# Allegro board 038RT-9068CJK8E-A100_0921_1.brd (continued)
## Placement (name value [footprint] x y rotation side) (continued)
UNK2CH1172  4.7U-25-X7R-S8-TY  [C0805]  283.67 444.7 90 bottom
UNK2CH1173  0.1U-16-X7R-S4-TY  [C0402]  291.21 439.98 0 bottom
UNK2CH1174  0.1U-16-X7R-S4-TY  [C0402]  291.21 441.25 0 bottom
UNK2CH1201  4.7U-25-X7R-S8-TY  [C0805]  292.79 446.46 0 bottom
UNK2CH1202  0.1U-16-X7R-S4-TY  [C0402]  288.67 438.39 270 bottom
UNK2CH1251  4.7U-25-X7R-S8-TY  [C0805]  292.79 448.68 0 bottom
UNK2CH1252  0.1U-16-X7R-S4-TY  [C0402]  286.66 438.45 270 bottom
UNK2CH1331  0.1U-16-X7R-S4-TY  [C0402]  284.26 438.45 270 bottom
UNK2CH1332  0.1U-16-X7R-S4-TY  [C0402]  261.88 444.35 180 bottom
UNK2CH1333  4.7U-25-X7R-S8-TY  [C0805]  261.08 442.32 180 bottom
UNK2CH1334  4.7U-25-X7R-S8-TY  [C0805]  261.08 439.78 180 bottom
UNK2CH1341  4.7U-25-X7R-S8-TY  [C0805]  281.64 444.7 90 bottom
UNK2CH1342  0.1U-16-X7R-S4-TY  [C0402]  283.11 438.45 270 bottom
UNK2CH1351  4.7U-25-X7R-S8-TY  [C0805]  277.1 441.63 180 bottom
UNK2CH1352  0.1U-16-X7R-S4-TY  [C0402]  281.47 438.98 0 bottom
UNK2CH1361  1U-16-X-S6-TY  [C0603]  271.22 436.12 90 bottom
UNK2CH1362  1U-16-X-S6-TY  [C0603]  271.22 432.43 270 bottom
UNK2CH1363  0.1U-16-X7R-S4-TY  [C0402]  277.19 437.37 90 bottom
UNK2CH1364  0.1U-16-X7R-S4-TY  [C0402]  278.33 437.37 90 bottom
UNK2CH1391  4.7U-25-X7R-S8-TY  [C0805]  277.1 439.6 180 bottom
UNK2CH1392  0.1U-16-X7R-S4-TY  [C0402]  281.47 437.84 0 bottom
UNK2CH1401  1U-16-X-S6-TY  [C0603]  272.7 436.12 90 bottom
UNK2CH1402  1U-16-X-S6-TY  [C0603]  274.17 436.12 90 bottom
UNK2CH1403  0.1U-16-X7R-S4-TY  [C0402]  281.47 433.26 0 bottom
UNK2CH1404  0.1U-16-X7R-S4-TY  [C0402]  281.47 434.41 0 bottom
UNK2CH1501  1U-16-X-S6-TY  [C0603]  274.17 432.43 270 bottom
UNK2CH1502  1U-16-X-S6-TY  [C0603]  272.7 432.43 270 bottom
UNK2CH1503  0.1U-16-X7R-S4-TY  [C0402]  281.47 435.55 0 bottom
UNK2CH1504  0.1U-16-X7R-S4-TY  [C0402]  281.47 436.69 0 bottom
UNK2CH1551  4.7U-25-X7R-S8-TY  [C0805]  283.55 423.24 180 bottom
UNK2CH1552  1U-16-X-S6-TY  [C0603]  284.68 429.49 270 bottom
UNK2CH1601  4.7U-25-X7R-S8-TY  [C0805]  287.22 423.24 0 bottom
UNK2CH1602  1U-16-X-S6-TY  [C0603]  286.09 429.49 270 bottom
UNK2CH1631  4.7U-25-X7R-S8-TY  [C0805]  287.22 421.18 0 bottom
UNK2CH1632  0.1U-16-X7R-S4-TY  [C0402]  287.36 429.18 270 bottom
UNK2CH1633  0.1U-16-X7R-S4-TY  [C0402]  302.12 437.69 0 bottom
UNK2CH1634  4.7U-25-X7R-S8-TY  [C0805]  302.3 439.29 0 bottom
UNK2CH2111  4.7U-25-X7R-S8-TY  [C0805]  240.29 436.05 0 bottom
UNK2CH2112  0.1U-16-X7R-S4-TY  [C0402]  226.85 436.64 180 bottom
UNK2CH2171  4.7U-25-X7R-S8-TY  [C0805]  229 443.61 90 bottom
UNK2CH2172  4.7U-25-X7R-S8-TY  [C0805]  221.66 444.7 90 bottom
UNK2CH2173  0.1U-16-X7R-S4-TY  [C0402]  229.2 439.98 0 bottom
UNK2CH2174  0.1U-16-X7R-S4-TY  [C0402]  229.2 441.25 0 bottom
UNK2CH2201  4.7U-25-X7R-S8-TY  [C0805]  230.78 446.46 0 bottom
UNK2CH2202  0.1U-16-X7R-S4-TY  [C0402]  226.66 438.39 270 bottom
UNK2CH2251  4.7U-25-X7R-S8-TY  [C0805]  230.78 448.68 0 bottom
UNK2CH2252  0.1U-16-X7R-S4-TY  [C0402]  224.65 438.45 270 bottom
UNK2CH2331  0.1U-16-X7R-S4-TY  [C0402]  222.25 438.45 270 bottom
UNK2CH2341  4.7U-25-X7R-S8-TY  [C0805]  219.63 444.7 90 bottom
UNK2CH2342  0.1U-16-X7R-S4-TY  [C0402]  221.1 438.45 270 bottom
UNK2CH2351  4.7U-25-X7R-S8-TY  [C0805]  215.09 441.63 180 bottom
UNK2CH2352  0.1U-16-X7R-S4-TY  [C0402]  219.46 438.98 0 bottom
UNK2CH2361  1U-16-X-S6-TY  [C0603]  209.22 436.12 90 bottom
UNK2CH2362  1U-16-X-S6-TY  [C0603]  209.22 432.43 270 bottom
UNK2CH2363  0.1U-16-X7R-S4-TY  [C0402]  215.18 437.37 90 bottom
UNK2CH2364  0.1U-16-X7R-S4-TY  [C0402]  216.32 437.37 90 bottom
UNK2CH2391  4.7U-25-X7R-S8-TY  [C0805]  215.09 439.6 180 bottom
UNK2CH2392  0.1U-16-X7R-S4-TY  [C0402]  219.46 437.84 0 bottom
UNK2CH2401  1U-16-X-S6-TY  [C0603]  210.69 436.12 90 bottom
UNK2CH2402  1U-16-X-S6-TY  [C0603]  212.16 436.12 90 bottom
UNK2CH2403  0.1U-16-X7R-S4-TY  [C0402]  219.46 433.26 0 bottom
UNK2CH2404  0.1U-16-X7R-S4-TY  [C0402]  219.46 434.41 0 bottom
UNK2CH2501  1U-16-X-S6-TY  [C0603]  212.16 432.43 270 bottom
UNK2CH2502  1U-16-X-S6-TY  [C0603]  210.69 432.43 270 bottom
UNK2CH2503  0.1U-16-X7R-S4-TY  [C0402]  219.46 435.55 0 bottom
UNK2CH2504  0.1U-16-X7R-S4-TY  [C0402]  219.46 436.69 0 bottom
UNK2CH2551  4.7U-25-X7R-S8-TY  [C0805]  221.54 423.24 180 bottom
UNK2CH2552  1U-16-X-S6-TY  [C0603]  222.67 429.49 270 bottom
UNK2CH2601  4.7U-25-X7R-S8-TY  [C0805]  225.21 423.24 0 bottom
UNK2CH2602  1U-16-X-S6-TY  [C0603]  224.08 429.49 270 bottom
UNK2CH2631  4.7U-25-X7R-S8-TY  [C0805]  225.21 421.18 0 bottom
UNK2CH2632  0.1U-16-X7R-S4-TY  [C0402]  225.35 429.18 270 bottom
UNK2CH2633  0.1U-16-X7R-S4-TY  [C0402]  240.11 437.69 0 bottom
UNK2CH2634  4.7U-25-X7R-S8-TY  [C0805]  240.29 439.29 0 bottom
UNK2CMOS1  DMC1015UPD-13-POWERDI5060-8  [TRANS_POWERPAK_8P]  239.89 287.33 90 bottom
UNK2CON1  RJ45-1X1-D90-KINSUN-1  [CONN_RJ45_1X1D90_8P_90754D]  7.76 152.02 90 bottom
UNK2CON3  RJ45-1X1-D90-KINSUN-1  [CONN_RJ45_1X1D90_8P_90754D]  7.76 184.4 90 bottom
UNK2CS1  22U-10-X7S-S8-TDK  [C0805]  150.71 455.54 0 top
UNK2CS2  100P-50-N-S4-YA  [C0402]  157.38 453.95 180 top
UNK2CS3  22U-10-X7S-S8-TDK  [C0805]  146.9 451.41 270 top
UNK2CS4  22U-10-X7S-S8-TDK  [C0805]  144.36 451.41 270 top
UNK2CS5  22P-50-N-S4-YA  [C0402]  157.38 451.41 0 top
UNK2CS61  0.1U-16-X7R-S4-TY  [C0402]  129.99 289.12 180 bottom
UNK2CS62  0.1U-16-X7R-S4-TY  [C0402]  129.99 287.96 180 bottom
UNK2CS63  0.1U-16-X7R-S4-TY  [C0402]  129.99 286.62 180 bottom
UNK2CS64  0.1U-16-X7R-S4-TY  [C0402]  129.99 285.45 180 bottom
UNK2CS71  0.1U-16-X7R-S4-TY  [C0402]  129.99 280.11 180 bottom
UNK2CS72  0.1U-16-X7R-S4-TY  [C0402]  129.99 278.94 180 bottom
UNK2CS73  0.1U-16-X7R-S4-TY  [C0402]  129.99 277.6 180 bottom
UNK2CS74  0.1U-16-X7R-S4-TY  [C0402]  129.99 276.43 180 bottom
UNK2CS101  0.1U-16-X7R-S4-TY  [C0402]  123.02 257.28 180 top
UNK2CS102  0.1U-16-X7R-S4-TY  [C0402]  123.02 256.11 180 top
UNK2CS103  0.22U-16-X7R-S4-SS  [C0402]  244.04 255.24 180 bottom
UNK2CS104  0.22U-16-X7R-S4-SS  [C0402]  244.04 256.41 180 bottom
UNK2CS107  0.1U-16-X7R-S4-TY  [C0402]  131.47 263.46 180 bottom
UNK2CS108  0.1U-16-X7R-S4-TY  [C0402]  131.47 262.29 180 bottom
UNK2CS111  0.1U-16-X7R-S4-TY  [C0402]  123.02 259.79 180 top
UNK2CS112  0.1U-16-X7R-S4-TY  [C0402]  123.02 258.62 180 top
UNK2CS113  0.22U-16-X7R-S4-SS  [C0402]  244.04 247.24 180 bottom
UNK2CS114  0.22U-16-X7R-S4-SS  [C0402]  244.04 248.41 180 bottom
UNK2CS117  0.1U-16-X7R-S4-TY  [C0402]  131.47 266.32 180 bottom
UNK2CS118  0.1U-16-X7R-S4-TY  [C0402]  131.47 265.15 180 bottom
UNK2GPHY2  CU/CONN-F-9-2304372-9-TE-V2  [CONN_SPECIFIC_8P_TE_V2]  11.29 269.88 90 bottom
UNK2GPHY3  CU/CONN-F-9-2304372-9-TE-V2  [CONN_SPECIFIC_8P_TE_V2]  11.29 288.93 90 bottom
UNK2HOST1  RTL9210-QFN68/CU/RTL9210-QFN68-8X8  [SK_QFN8X8_68P_0P4MM_ISC]  286.26 435.84 180 top
UNK2HOST2  RTL9210-QFN68/CU/RTL9210-QFN68-8X8  [SK_QFN8X8_68P_0P4MM_ISC]  224.25 435.84 180 top
UNK2K4  CU/EC2-12NJ-A  [RL_NAL_12V]  327.04 429.82 90 top
UNK2K5  CU/EC2-12NJ-A  [RL_NAL_12V]  194.08 426.21 90 top
UNK2K6  CU/EC2-12NJ-A  [RL_NAL_12V]  113.06 448.8 90 top
UNK2K7  CU/EC2-12NJ-A  [RL_NAL_12V]  132.02 432.18 90 top
UNK2K11  CU/EC2-12NJ-A  [RL_NAL_12V]  251.95 280.09 0 bottom
UNK2K34  CU/UA2-12NJ-A-V2_EX  [RL_NECUA2_12V_V2]  312.88 273.23 180 bottom
UNK2K52  CU/UA2-12NJ-A-V2  [RL_NECUA2_12V_V2]  54.24 372.97 90 top
UNK2K54  CU/UA2-12NJ-A-V2  [RL_NECUA2_12V_V2]  54.24 385.69 90 top
UNK2K56  CU/UA2-12NJ-A-V2  [RL_NECUA2_12V_V2]  61.29 372.97 90 top
UNK2K58  CU/UA2-12NJ-A-V2  [RL_NECUA2_12V_V2]  61.29 385.69 90 top
UNK2K60  CU/UA2-12NJ-A-V2  [RL_NECUA2_12V_V2]  257.21 264.6 180 bottom
UNK2K64  CU/UA2-12NJ-A-V2  [RL_NECUA2_12V_V2]  231.8 264.6 0 bottom
UNK2K124  CU/UA2-12NJ-A-V2  [RL_NECUA2_12V_V2]  156.85 274.5 0 bottom
UNK2K130  CU/UA2-12NJ-A-V2  [RL_NECUA2_12V_V2]  257.21 271.71 180 bottom
UNK2K140  CU/UA2-12NJ-A-V2  [RL_NECUA2_12V_V2]  231.8 271.71 0 bottom
UNK2K144  PI3DBS12412AZHE-TQFN42  [TQFN9X3P5_42P_0P5MM_EP]  43.67 287.02 180 bottom
UNK2K145  PI3DBS12412AZHE-TQFN42  [TQFN9X3P5_42P_0P5MM_EP]  29.07 280.67 0 bottom
UNK2K180  CU/UA2-12NJ-A-V2  [RL_NECUA2_12V_V2]  204.13 262.08 0 bottom
UNK2K181  CU/UA2-12NJ-A-V2  [RL_NECUA2_12V_V2]  188.37 262.08 0 bottom
UNK2K182  CU/UA2-12NJ-A-V2  [RL_NECUA2_12V_V2]  172.61 274.5 0 bottom
UNK2K183  CU/UA2-12NJ-A-V2  [RL_NECUA2_12V_V2]  188.37 274.5 0 bottom
UNK2K184  PI3DBS12412AZHE-TQFN42  [TQFN9X3P5_42P_0P5MM_EP]  137.02 280.78 180 bottom
UNK2K211  CU/UA2-12NJ-A-V2  [RL_NECUA2_12V_V2]  318.6 421.96 90 top
UNK2K212  CU/UA2-12NJ-A-V2  [RL_NECUA2_12V_V2]  312.39 421.96 90 top
UNK2K213  PI3DBS12412AZHE-TQFN42_EX  [TQFN9X3P5_42P_0P5MM_EP]  251.27 248.82 180 bottom
UNK2K214  PI3DBS12412AZHE-TQFN42_EX  [TQFN9X3P5_42P_0P5MM_EP]  229.05 248.82 180 bottom
UNK2K217  PI3DBS12412AZHE-TQFN42_EX  [TQFN9X3P5_42P_0P5MM_EP]  137.02 264.62 180 bottom
UNK2K220  CU/UA2-12NJ-A-V2  [RL_NECUA2_12V_V2]  250.38 421.96 90 top
UNK2K221  CU/UA2-12NJ-A-V2  [RL_NECUA2_12V_V2]  256.59 421.96 90 top
UNK2K223  CU/EC2-12NJ-A  [RL_NAL_12V]  251.95 287.71 0 bottom
UNK2K225  CU/UA2-12NJ-A-V2  [RL_NECUA2_12V_V2]  191.17 284.46 180 bottom
UNK2K226  CU/UA2-12NJ-A-V2  [RL_NECUA2_12V_V2]  206.41 284.46 180 bottom
UNK2K227  CU/UA2-12NJ-A-V2  [RL_NECUA2_12V_V2]  155.31 284.41 180 bottom
UNK2K228  CU/UA2-12NJ-A-V2  [RL_NECUA2_12V_V2]  170.55 284.41 180 bottom
UNK2K231  CU/UA2-12NJ-A-V2  [RL_NECUA2_12V_V2]  188.37 268.29 0 bottom
UNK2K232  CU/UA2-12NJ-A-V2  [RL_NECUA2_12V_V2]  172.61 262.08 0 bottom
UNK2K233  CU/UA2-12NJ-A-V2  [RL_NECUA2_12V_V2]  172.61 268.29 0 bottom
UNK2K240  CU/UA2-12NJ-A-V2  [RL_NECUA2_12V_V2]  139.56 431.1 270 top
UNK2K241  CU/UA2-12NJ-A-V2  [RL_NECUA2_12V_V2]  153.53 431.5 90 top
UNK2K242  CU/UA2-12NJ-A-V2  [RL_NECUA2_12V_V2]  145.91 431.1 270 top
UNK2K243  CU/UA2-12NJ-A-V2  [RL_NECUA2_12V_V2]  159.88 431.5 90 top
UNK2L3  L2.2U-10A-S6.8X6.6-BO  [IND_6P6X6P4XH5MM]  232.9 287.33 90 bottom
UNK2LH11  L2.2U-1.15A-S2.0X1.6-TDK  [IND_VL252012E]  295.27 439.34 180 bottom
UNK2LH21  L2.2U-1.15A-S2.0X1.6-TDK  [IND_VL252012E]  233.26 439.34 180 bottom
UNK2LX1  L1U-3.3A-S2.5X2-TY  [IND_VL252012E]  154.52 451.41 270 top
UNK2MQS1  MQS-9X2-MR  [CONN_19635391_18P_90]  6.8 340.36 270 bottom
UNK2PT1  PT-RJ45-1X1-20X18X12  [RJ45_1X1D90_8P_PROTECTOR]  682.28 25.65 270 bottom
UNK2PT3  PT-RJ45-1X1-20X18X12  [RJ45_1X1D90_8P_PROTECTOR]  682.28 58.04 270 bottom
UNK2PT23  PT-CONN-2X1-50X16X11  [PROTECTOR_CONN_SPECIFIC_2PORT]  11.29 279.4 270 bottom
UNK2R2  NC/100K-1-S4  [R0402]  238.41 265.42 180 bottom
UNK2R3  NC/100K-1-S4  [R0402]  250.6 263.26 0 bottom
UNK2R5  NC/100K-1-S4  [R0402]  238.41 273.04 180 bottom
UNK2R6  NC/100K-1-S4  [R0402]  57.22 255.61 0 top
UNK2R7  NC/100K-1-S4  [R0402]  57.22 249.13 0 top
UNK2R9  NC/100K-1-S4  [R0402]  69.74 260.34 180 bottom
UNK2R10  NC/100K-1-S4  [R0402]  250.6 270.88 0 bottom
UNK2R18  0-5-S8  [R0805]  126.08 446.72 180 top
UNK2R19  NC/100K-1-S4  [R0402]  69.74 265.04 180 bottom
UNK2R20  0-5-S8  [R0805]  30.34 139.06 0 bottom
UNK2R21  0-5-S8  [R0805]  23.67 360.74 90 bottom
UNK2R24  1M-1-S4  [R0402]  97.01 237.61 270 bottom
UNK2R26  10K-1-S4  [R0402]  97.01 240.02 270 bottom
UNK2R45  NC/10K-1-S4  [R0402]  116.06 237.61 270 bottom
UNK2R46  NC/10K-1-S4  [R0402]  114.79 237.61 270 bottom
UNK2R56  NC/1K-1-S4  [R0402]  68.75 280.34 90 bottom
UNK2R60  10K-1-S4  [R0402]  109.71 237.61 270 bottom
UNK2R61  10K-1-S4  [R0402]  102.09 237.61 270 bottom
UNK2R62  10K-1-S4  [R0402]  104.63 240.02 90 bottom
UNK2R63  NC/10K-1-S4  [R0402]  98.28 237.61 270 bottom
UNK2R64  NC/10K-1-S4  [R0402]  100.82 237.61 270 bottom
UNK2R66  NC/10K-1-S4  [R0402]  103.36 237.61 270 bottom
UNK2R67  NC/10K-1-S4  [R0402]  108.44 237.61 270 bottom
UNK2R68  NC/10K-1-S4  [R0402]  99.55 237.61 270 bottom
UNK2R69  24K-1-S4  [R0402]  84.13 266.72 90 bottom
UNK2R70  10K-1-S4  [R0402]  112.25 237.61 270 bottom
UNK2R71  10K-1-S4  [R0402]  110.98 237.61 270 bottom
UNK2R105  NC/0-5-S4  [R0402]  312.16 276.86 180 bottom
UNK2R110  24K-1-S4  [R0402]  285.8 274.69 0 bottom
UNK2R126  100-1-S4  [R0402]  54.24 379.13 0 top
UNK2R130  100-1-S4  [R0402]  61.29 379.13 0 top
UNK2R133  75-1-S4  [R0402]  51.73 350.22 270 top
UNK2R134  75-1-S4  [R0402]  57.76 350.22 270 top
UNK2R135  75-1-S4  [R0402]  57.8 330.68 270 top
UNK2R136  75-1-S4  [R0402]  51.77 330.68 270 top
UNK2R137  0-5-S4  [R0402]  29.07 144.14 90 bottom
UNK2R138  3.9K-1-S4  [R0402]  34.15 144.14 90 bottom
UNK2R139  1K-1-S4  [R0402]  57.22 253.07 180 top
UNK2R140  1K-1-S4  [R0402]  57.22 251.67 180 top
UNK2R141  1K-1-S4  [R0402]  57.22 247.86 180 top
UNK2R142  1K-1-S4  [R0402]  57.22 246.46 180 top
UNK2R149  1K-1-S4  [R0402]  240.56 266.82 180 bottom
UNK2R150  1K-1-S4  [R0402]  240.56 265.42 180 bottom
UNK2R155  1K-1-S4  [R0402]  248.45 261.86 0 bottom
UNK2R156  1K-1-S4  [R0402]  248.45 263.26 0 bottom
UNK2R263  NC/10K-1-S4  [R0402]  104.63 237.61 270 bottom
UNK2R264  NC/10K-1-S4  [R0402]  102.09 240.02 90 bottom
UNK2R275  1M-1-S6  [R0603]  107.98 442.87 270 bottom
UNK2R276  1M-1-S6  [R0603]  125.28 420.88 90 top
UNK2R281  10K-1-S4  [R0402]  116.06 240.02 90 bottom
UNK2R282  10K-1-S4  [R0402]  114.79 240.02 90 bottom
UNK2R309  NC/10K-1-S25-ST  [R2512]  122.49 425.83 180 top
UNK2R327  1K-1-S4  [R0402]  154.55 277.94 0 bottom
UNK2R328  1K-1-S4  [R0402]  154.55 271.06 0 bottom
UNK2R342  10K-1-S4  [R0402]  111.16 429.75 270 bottom
UNK2R343  10K-1-S4  [R0402]  116.24 429.75 270 bottom
UNK2R344  10K-1-S4  [R0402]  101 429.75 270 bottom
UNK2R345  10K-1-S4  [R0402]  106.08 429.75 270 bottom
UNK2R347  0-5-S4  [R0402]  107.17 240.02 270 bottom
UNK2R348  0-5-S4  [R0402]  105.9 240.02 270 bottom
UNK2R350  1K-1-S4  [R0402]  107.17 237.61 90 bottom
UNK2R351  1K-1-S4  [R0402]  105.9 237.61 270 bottom
UNK2R360  NC/898-1-S6-KOA  [R0603]  107.98 446.22 90 bottom
UNK2R361  NC/100-1-S6  [R0603]  107.98 449.65 90 bottom
UNK2R362  0-5-S6  [R0603]  110.52 438.01 270 bottom
UNK2R434  0-5-S4  [R0402]  314.22 276.86 0 bottom
UNK2R438  1K-1-S4  [R0402]  248.45 270.88 0 bottom
UNK2R439  1K-1-S4  [R0402]  240.56 273.04 180 bottom
UNK2R440  1K-1-S4  [R0402]  240.56 274.44 180 bottom
UNK2R441  1K-1-S4  [R0402]  248.45 269.48 0 bottom
UNK2R454  1K-1-S8  [R0805]  288.21 288.03 90 bottom
UNK2R455  1K-1-S8  [R0805]  286.18 288.03 90 bottom
UNK2R456  100K-1-S6  [R0603]  288.75 290.56 0 bottom
UNK2R470  1K-1-S4  [R0402]  72.02 257.67 180 bottom
UNK2R473  1K-1-S4  [R0402]  72.02 262.37 180 bottom
UNK2R474  1K-1-S4  [R0402]  72.02 259.07 180 bottom
UNK2R475  1K-1-S4  [R0402]  72.02 263.77 180 bottom
UNK2R498  1K-1-S8  [R0805]  294.82 288.03 90 bottom
UNK2R499  1K-1-S8  [R0805]  292.78 288.03 90 bottom
UNK2R500  100K-1-S6  [R0603]  295.35 290.56 0 bottom
UNK2R517  1K-1-S8  [R0805]  51.54 271.64 180 top
UNK2R518  1K-1-S8  [R0805]  51.54 269.6 180 top
UNK2R519  100K-1-S6  [R0603]  48.22 271.32 180 top
UNK2R536  1K-1-S8  [R0805]  51.54 276.28 180 top
UNK2R537  1K-1-S8  [R0805]  51.54 274.24 180 top
UNK2R538  100K-1-S6  [R0603]  48.22 275.96 180 top
UNK2R540  NC/120-1-S4  [R0402]  18.79 294.73 0 top
UNK2R541  NC/120-1-S4  [R0402]  11.79 294.73 180 top
UNK2R542  NC/120-1-S4  [R0402]  18.79 275.68 180 top
UNK2R543  NC/120-1-S4  [R0402]  11.79 275.68 180 top
UNK2R548  0-5-S4  [R0402]  157.38 452.68 180 top
UNK2R552  NC/10K-1-S4  [R0402]  109.71 240.02 270 bottom
UNK2R553  NC/0-5-S4  [R0402]  122.41 237.61 270 bottom
UNK2R554  NC/10K-1-S4  [R0402]  124.95 240.02 90 bottom
UNK2R555  NC/0-5-S4  [R0402]  110.98 240.02 270 bottom
UNK2R556  NC/0-5-S4  [R0402]  123.68 237.61 270 bottom
UNK2R557  NC/0-5-S4  [R0402]  131.3 237.61 270 bottom
UNK2R558  NC/0-5-S4  [R0402]  126.22 237.61 270 bottom
UNK2R559  NC/0-5-S4  [R0402]  127.49 237.61 270 bottom
UNK2R560  NC/0-5-S4  [R0402]  123.68 240.02 270 bottom
UNK2R561  NC/0-5-S4  [R0402]  122.41 240.02 270 bottom
UNK2R562  NC/0-5-S4  [R0402]  126.22 240.02 270 bottom
UNK2R563  NC/10K-1-S4  [R0402]  121.14 237.61 270 bottom
UNK2R564  NC/10K-1-S4  [R0402]  119.87 237.61 270 bottom
UNK2R565  NC/10K-1-S4  [R0402]  118.6 237.61 270 bottom
UNK2R566  NC/10K-1-S4  [R0402]  117.33 237.61 270 bottom
UNK2R567  NC/0-5-S4  [R0402]  130.03 237.61 270 bottom
UNK2R568  NC/10K-1-S4  [R0402]  98.28 240.02 90 bottom
UNK2R569  NC/10K-1-S4  [R0402]  100.82 240.02 90 bottom
UNK2R570  NC/10K-1-S4  [R0402]  103.36 240.02 90 bottom
UNK2R571  NC/10K-1-S4  [R0402]  99.55 240.02 90 bottom
UNK2R572  NC/10K-1-S4  [R0402]  108.44 240.02 90 bottom
UNK2R573  NC/10K-1-S4  [R0402]  124.95 237.61 270 bottom
UNK2R574  NC/10K-1-S4  [R0402]  117.33 240.02 90 bottom
UNK2R575  NC/10K-1-S4  [R0402]  118.6 240.02 90 bottom
UNK2R576  NC/10K-1-S4  [R0402]  119.87 240.02 90 bottom
UNK2R577  NC/10K-1-S4  [R0402]  121.14 240.02 90 bottom
UNK2R578  0-1-S4-YA  [R0402]  71.29 280.34 90 bottom
UNK2R579  0-1-S4-YA  [R0402]  70.02 280.34 90 bottom
UNK2R580  0-1-S4-YA  [R0402]  95.74 240.02 270 bottom
UNK2R581  0-1-S4-YA  [R0402]  93.2 237.61 270 bottom
UNK2R582  0-1-S4-YA  [R0402]  93.2 240.02 270 bottom
UNK2R583  0-1-S4-YA  [R0402]  94.47 237.61 270 bottom
UNK2R584  0-1-S4-YA  [R0402]  112.25 240.02 90 bottom
UNK2R586  0-5-S25  [R2512]  140.57 449.96 270 top
UNK2RB7  54.9K-1-S4  [R0402]  157.38 455.22 180 top
UNK2RB8  100K-1-S4  [R0402]  157.38 456.49 0 top
UNK2RD11  0-5-SB  [R1210]  324.5 418.71 0 top
UNK2RD21  0-5-SB  [R1210]  329.58 418.71 180 top
UNK2RD32  0-5-S8  [R0805]  270.38 262.71 90 bottom
UNK2RD42  0-5-S8  [R0805]  295.13 245.36 180 bottom
UNK2RD43  0-5-S8  [R0805]  291.09 241.7 180 bottom
UNK2RD62  0-5-S8  [R0805]  275.6 247.39 0 bottom
UNK2RD64  0-5-S8  [R0805]  275.6 245.36 180 bottom
UNK2RD72  0-5-S8  [R0805]  291.09 247.42 180 bottom
UNK2RD73  0-5-S6  [R0603]  316.09 263.99 0 bottom
UNK2RD74  0-5-S6  [R0603]  309.74 263.99 0 bottom
UNK2RD75  0-5-S6  [R0603]  316.09 258.91 0 bottom
UNK2RD76  0-5-S6  [R0603]  309.74 258.91 0 bottom
UNK2RD77  0-5-S6  [R0603]  316.09 266.53 0 bottom
UNK2RD78  0-5-S6  [R0603]  316.09 261.45 0 bottom
UNK2RD79  0-5-S6  [R0603]  113.7 429.75 90 bottom
UNK2RD80  0-5-S6  [R0603]  103.54 429.75 90 bottom
UNK2RD81  0-5-S6  [R0603]  224.46 281.11 180 bottom
UNK2RD82  0-5-S6  [R0603]  149.72 275.26 0 bottom
UNK2RD83  0-5-S6  [R0603]  149.72 273.73 0 bottom
UNK2RD84  0-5-S6  [R0603]  224.46 270.11 180 bottom
UNK2RD85  0-5-S6  [R0603]  224.46 284.28 180 bottom
UNK2RD86  0-5-S6  [R0603]  224.46 277.93 180 bottom
UNK2RD87  0-5-S6  [R0603]  312.91 263.99 0 bottom
UNK2RD88  0-5-S6  [R0603]  309.74 261.45 0 bottom
UNK2RD89  0-5-S6  [R0603]  312.91 258.91 0 bottom
UNK2RD90  0-5-S6  [R0603]  309.74 269.07 0 bottom
UNK2RD92  0-5-S6  [R0603]  312.91 261.45 0 bottom
UNK2RD95  0-5-S6  [R0603]  312.91 266.53 0 bottom
UNK2RD96  0-5-S6  [R0603]  316.09 269.07 0 bottom
UNK2RD97  0-5-S6  [R0603]  312.91 269.07 180 bottom
UNK2RD98  0-5-S6  [R0603]  224.46 287.46 180 bottom
UNK2RD99  0-5-S6  [R0603]  224.46 290.66 180 bottom
UNK2RD100  0-5-S6  [R0603]  309.74 266.53 0 bottom
UNK2RD101  0-5-S6  [R0603]  224.46 273.31 180 bottom
UNK2RD178  0-5-S6  [R0603]  224.46 266.2 180 bottom
UNK2RD179  0-5-S6  [R0603]  224.46 263 180 bottom
UNK2RD180  NC/0-5-S6  [R0603]  130.39 243.34 180 bottom
UNK2RD181  NC/0-5-S6  [R0603]  130.39 244.86 180 bottom
UNK2RG1  0-5-SB  [R1210]  58.78 263.83 270 top
UNK2RG21  0-5-S4  [R0402]  128.76 237.61 270 bottom
UNK2RG22  0-5-S4  [R0402]  127.49 240.02 270 bottom
UNK2RG32  0-5-S8  [R0805]  96.11 250.79 180 bottom
UNK2RG42  0-5-S8  [R0805]  111.4 276.05 270 bottom
UNK2RG64  0-5-S8  [R0805]  113.46 257.03 270 bottom
UNK2RG72  0-5-S8  [R0805]  111.4 272.02 270 bottom
UNK2RG73  0-5-S6  [R0603]  63.17 280.78 180 bottom
UNK2RG74  0-5-S6  [R0603]  63.17 282.68 180 bottom
UNK2RG75  0-5-S6  [R0603]  63.17 286.49 180 bottom
UNK2RG76  0-5-S6  [R0603]  63.17 288.4 180 bottom
UNK2RG77  0-5-S6  [R0603]  63.17 278.85 180 bottom
UNK2RG78  0-5-S6  [R0603]  63.17 284.59 180 bottom
UNK2RH13  4.7K-1-S6  [R0603]  294.66 426.2 90 bottom
UNK2RH23  4.7K-1-S6  [R0603]  232.65 426.2 90 bottom
UNK2RH112  0-5-S4  [R0402]  300.03 428.93 90 bottom
UNK2RH113  10K-1-S6  [R0603]  301.43 431.47 90 bottom
UNK2RH114  10K-1-S6  [R0603]  302.95 431.47 90 bottom
UNK2RH116  0-5-SB  [R1210]  268.4 431.88 90 bottom
UNK2RH118  NC/0-5-S4  [R0402]  290 449.76 270 bottom
UNK2RH119  NC/0-5-S4  [R0402]  288.73 449.76 270 bottom
UNK2RH121  47K-1-S4  [R0402]  316.92 428.41 180 top
UNK2RH122  47K-1-S4  [R0402]  315.16 455.58 270 top
UNK2RH123  NC/0-5-S4  [R0402]  287.46 449.76 270 bottom
UNK2RH129  NC/0-5-S4  [R0402]  285.4 438.45 270 bottom
UNK2RH130  0-5-S4  [R0402]  280 444.7 90 bottom
UNK2RH132  0-5-S4  [R0402]  278.73 444.7 90 bottom
UNK2RH151  0-5-S4  [R0402]  294.95 428.93 90 bottom
UNK2RH152  NC/0-5-S4  [R0402]  317.7 458.89 90 bottom
UNK2RH161  0-5-S4  [R0402]  294.95 431.47 90 bottom
UNK2RH162  NC/0-5-S4  [R0402]  315.16 458.89 90 bottom
UNK2RH171  4.7K-1-S6  [R0603]  296.22 428.93 90 bottom
UNK2RH172  NC/0-5-S4  [R0402]  296.22 431.47 90 bottom
UNK2RH181  0-5-S4  [R0402]  297.49 428.93 90 bottom
UNK2RH182  NC/0-5-S4  [R0402]  312.62 458.89 90 bottom
UNK2RH191  0-5-S4  [R0402]  297.49 431.47 90 bottom
UNK2RH192  NC/0-5-S4  [R0402]  310.08 458.89 270 bottom
UNK2RH212  0-5-S4  [R0402]  238.02 428.93 90 bottom
UNK2RH213  10K-1-S6  [R0603]  239.42 431.47 90 bottom
UNK2RH214  10K-1-S6  [R0603]  240.94 431.47 90 bottom
UNK2RH216  0-5-SB  [R1210]  206.39 431.88 90 bottom
UNK2RH218  NC/0-5-S4  [R0402]  227.99 449.76 270 bottom
UNK2RH219  NC/0-5-S4  [R0402]  226.72 449.76 270 bottom
UNK2RH221  47K-1-S4  [R0402]  254.91 428.41 180 top
UNK2RH222  47K-1-S4  [R0402]  253.15 455.58 270 top
UNK2RH223  NC/0-5-S4  [R0402]  225.45 449.76 270 bottom
UNK2RH229  NC/0-5-S4  [R0402]  223.39 438.45 270 bottom
UNK2RH230  0-5-S4  [R0402]  217.99 444.7 90 bottom
UNK2RH232  0-5-S4  [R0402]  216.72 444.7 90 bottom
UNK2RH251  0-5-S4  [R0402]  232.94 428.93 90 bottom
UNK2RH252  NC/0-5-S4  [R0402]  259.5 458.89 90 bottom
UNK2RH261  0-5-S4  [R0402]  232.94 431.47 90 bottom
UNK2RH262  NC/0-5-S4  [R0402]  256.96 458.89 90 bottom
UNK2RH271  4.7K-1-S6  [R0603]  234.21 428.93 90 bottom
UNK2RH272  NC/0-5-S4  [R0402]  234.21 431.47 90 bottom
UNK2RH281  0-5-S4  [R0402]  235.48 428.93 90 bottom
UNK2RH282  NC/0-5-S4  [R0402]  254.42 458.89 90 bottom
UNK2RH291  0-5-S4  [R0402]  235.48 431.47 90 bottom
UNK2RH292  NC/0-5-S4  [R0402]  251.88 458.89 270 bottom
UNK2RH1101  NC/0-5-S4  [R0402]  298.76 431.47 90 bottom
UNK2RH1102  0-5-S4  [R0402]  300.03 431.47 90 bottom
UNK2RH1103  10K-1-S6  [R0603]  298.76 428.93 90 bottom
UNK2RH1104  NC/0-5-S4  [R0402]  307.54 458.89 270 bottom
UNK2RH1182  NC/0-5-S4  [R0402]  284.68 458.89 270 bottom
UNK2RH1192  NC/0-5-S4  [R0402]  282.14 458.89 270 bottom
UNK2RH1232  NC/0-5-S4  [R0402]  279.6 458.89 270 bottom
UNK2RH1241  NC/0-5-S4  [R0402]  286.19 449.76 270 bottom
UNK2RH1242  47K-1-S4  [R0402]  314.66 428.41 180 top
UNK2RH1243  NC/0-5-S4  [R0402]  277.06 458.89 270 bottom
UNK2RH1261  10K-1-S6  [R0603]  284.92 452.3 90 bottom
UNK2RH1262  0-5-S4  [R0402]  284.92 449.76 90 bottom
UNK2RH1263  NC/0-5-S4  [R0402]  274.52 458.89 270 bottom
UNK2RH1271  10K-1-S6  [R0603]  283.4 452.3 90 bottom
UNK2RH1272  0-5-S4  [R0402]  283.4 449.76 90 bottom
UNK2RH1273  NC/0-5-S4  [R0402]  271.98 458.89 270 bottom
UNK2RH1281  10K-1-S6  [R0603]  281.87 452.3 90 bottom
UNK2RH1282  0-5-S4  [R0402]  281.87 449.76 90 bottom
UNK2RH1283  NC/0-5-S4  [R0402]  297.38 458.89 270 bottom
UNK2RH1511  12K-1-S4  [R0402]  281.47 431.99 0 bottom
UNK2RH2101  NC/0-5-S4  [R0402]  236.75 431.47 90 bottom
UNK2RH2102  0-5-S4  [R0402]  238.02 431.47 90 bottom
UNK2RH2103  10K-1-S6  [R0603]  236.75 428.93 90 bottom
UNK2RH2104  NC/0-5-S4  [R0402]  249.34 458.89 270 bottom
UNK2RH2182  NC/0-5-S4  [R0402]  222.67 458.89 270 bottom
UNK2RH2192  NC/0-5-S4  [R0402]  220.13 458.89 270 bottom
UNK2RH2232  NC/0-5-S4  [R0402]  217.59 458.89 270 bottom
UNK2RH2241  NC/0-5-S4  [R0402]  224.18 449.76 270 bottom
UNK2RH2242  47K-1-S4  [R0402]  252.65 428.41 180 top
UNK2RH2243  NC/0-5-S4  [R0402]  215.05 458.89 270 bottom
UNK2RH2261  10K-1-S6  [R0603]  222.91 452.3 90 bottom
UNK2RH2262  0-5-S4  [R0402]  222.91 449.76 90 bottom
UNK2RH2263  NC/0-5-S4  [R0402]  212.51 458.89 270 bottom
UNK2RH2271  10K-1-S6  [R0603]  221.39 452.3 90 bottom
UNK2RH2272  0-5-S4  [R0402]  221.39 449.76 90 bottom
UNK2RH2273  NC/0-5-S4  [R0402]  209.97 458.89 270 bottom
UNK2RH2281  10K-1-S6  [R0603]  219.86 452.3 90 bottom
UNK2RH2282  0-5-S4  [R0402]  219.86 449.76 90 bottom
UNK2RH2283  NC/0-5-S4  [R0402]  235.37 458.89 270 bottom
UNK2RH2511  12K-1-S4  [R0402]  219.46 431.99 0 bottom
UNK2RHPC1  0-5-S25  [R2512]  263.25 449.58 270 bottom
UNK2RL15  NC/3.9K-1-S4  [R0402]  24.36 283.57 0 bottom
UNK2RL16  10K-1-S4  [R0402]  23.86 280.54 90 bottom
UNK2RL18  10K-1-S4  [R0402]  50.35 285.03 270 bottom
UNK2RL21  10K-1-S4  [R0402]  144.38 280.78 0 bottom
UNK2RL38  NC/3.9K-1-S4  [R0402]  141.01 258.39 0 bottom
UNK2RL39  10K-1-S4  [R0402]  141.51 264.87 270 bottom
UNK2RL42  10K-1-S4  [R0402]  259.17 249.18 45 bottom
UNK2RL44  10K-1-S4  [R0402]  236.27 248.82 0 bottom
UNK2RR400  0-5-S6  [R0603]  197 262.84 0 bottom